# Allegro board ADALM-PLUTO Layout.brd (continued)
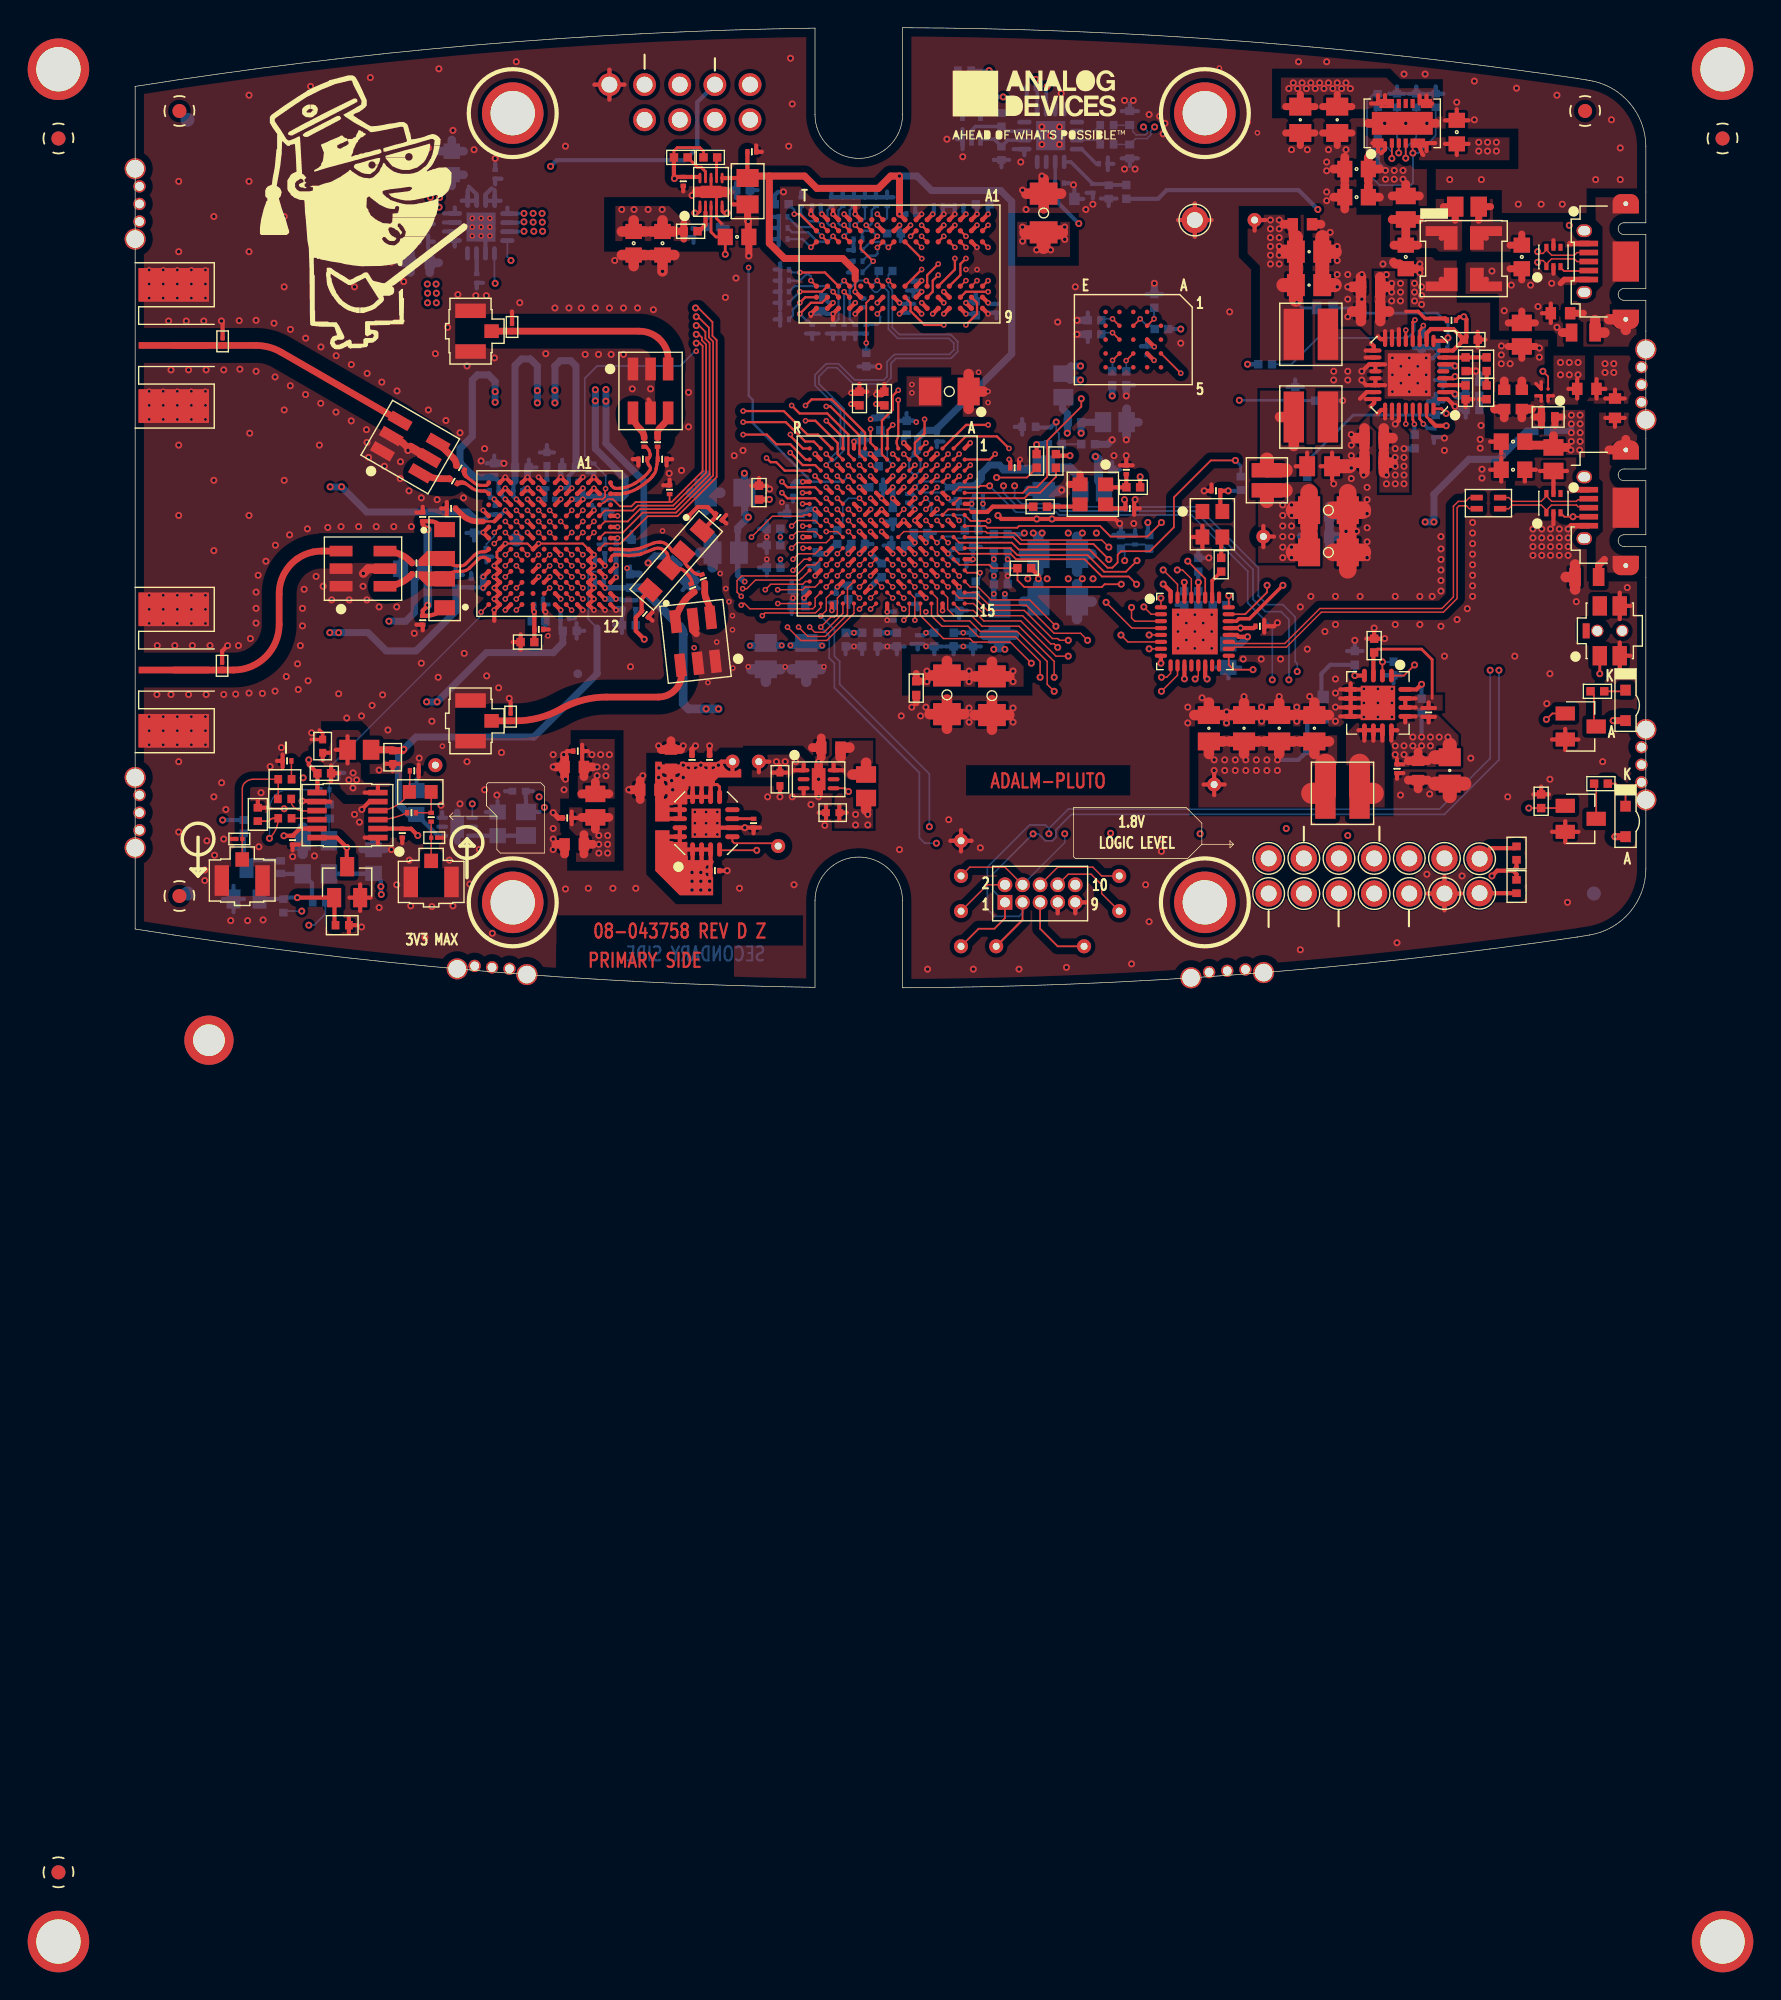
[diagram p0: board, top side]
## Routing (per net, layer and track width the routed paths; a pad name or vN(x,y) marks a point on that pad's centre or on a via; arc(x,y) is an arc through that point) (continued)
  vias: v1(64.11,54.94) v1(64.11,53.92) v1(65.12,53.29) v1(66.14,53.29) v1(67.16,54.94) v1(67.16,54.05) v1(82.01,54.81) v1(82.01,54.18) v1(82.01,53.54) v1(82.01,52.91) v1(82.01,52.27) v1(82.65,55.45) v1(82.65,54.81) v1(82.65,54.18) v1(82.65,53.54) v1(82.65,52.91) v1(82.65,52.27) v2(56.11,43.57) v2(56.11,42.96)
GND: length 615.9
  TOP w0.152: v2(29.15,32.08) 32.34,32.08 U5.C7 ; v2(26.75,32.08) 28.34,32.08 U5.H7
  TOP w0.203: 42.37,55.19 42,55.55 U14.4 42,57.08 U14.PAD U14.8 ; U5.L7 26.13,31.47 26.13,31.09 U5.L8
  TOP w0.254: 13.31,18.62 13.55,18.38 C200.2 12.72,17.93 ; 101.58,43.76 U16.B2 101.19,43.63
  TOP w0.305: Q4.2 104.27,11.26 ; Q4.2 102.36,11.26 ; Q4.2 103.31,10.5 ; Q4.2 103.31,12.02 ; v2(29.65,27.15) 29.62,27.17 29.6,27.17 ; 22.52,34.16 R49.1 ; R49.1 22.52,35.08 ; R49.1 22.11,34.62 ; C182.2 105.57,43.95 ; C182.2 106.21,43.25 ; C182.2 105.57,42.55 ; 20.48,16.13 C180.2 20.48,15.21 ; U4.N5 v2(49.93,36.15) ; 103.31,17.17 Q1.2 ; Q1.2 104.27,17.93 ; Q1.2 102.36,17.93 ; Q1.2 103.31,18.69 ; U2.P9 v2(50.42,48.67) 50.42,48.23 ; U5.C2 v2(33.14,36.08) U5.B2 ; U3.6 U3.5 ; U3.6 U3.7 ; U3.6 87.06,20.9 ; U3.6 89.46,20.9 ; U3.5 87.81,21.98 ; U3.5 87.06,21.55 ; U3.5 88.81,21.55 89.46,20.9 ; U5.G12 29.54,27.23 29.6,27.17 ; 18.61,15.64 C199.2 ; C199.2 18.1,16.17 ; C199.2 19.11,16.17 ; v1(30.96,16.84) 31.21,17.09 C33.2 ; U5.M6 v2(25.14,32.88) U5.M5 ; 76.55,54.24 GND#3.1 ; GND#3.1 77.76,55.45 ; GND#3.1 76.55,56.65 ; GND#3.1 75.35,55.45 ; U5.C1 v2(33.14,36.88) U5.B1 ; v1(62.33,34.11) 62.58,33.86 v1(65.14,33.86) v1(66.24,33.86) 70.8,33.86 v1(71.13,33.53) ; U4.C5 v2(58.73,35.35) ; 29.6,27.17 29.55,27.17 ; U4.G13 v2(55.53,28.95) ; v2(33.14,27.28) U5.C12 v2(33.14,28.08) U5.C11 v2(33.14,28.88) U5.C10 v2(33.14,29.68) U5.C9 v2(33.14,30.48) U5.C8 v2(33.14,31.28) U5.C7 ; 37.37,27.13 C193.1 37.37,26.52 ; C12.2 45.13,11.57 ; C12.2 44.05,11.57 v1(44.04,11.56) U7.6 41.57,11.56 v2(41.25,11.88) ; C12.2 44.68,11.16 ; U4.L1 v2(51.93,39.45) ; U5.H5 v2(28.35,33.68) ; U5.G1 v2(29.14,36.88) ; C205.2 10.65,16.84 ; C205.2 10.65,15.93 ; C205.2 10.25,16.38 ; 38.15,36.29 C206.2 38.61,36.7 ; D7.1 22.23,10.84 ; 59.66,9.85 GND#4.1 ; GND#4.1 59.66,11.38 ; GND#4.1 60.43,10.61 ; GND#4.1 58.9,10.61 ; U2.E1 v2(58.42,55.87) ; v1(12.06,13.48) 13.1,13.48 U17.8 14.09,13.44 ; U4.L11 v2(51.53,30.55) ; U6.22 88.94,43.52 88.8,43.66 ; U6.22 89.6,43.93 ; U6.22 90.3,43.52 ; C56.2 45.07,36.82 ; C56.2 45.63,36.26 ; C56.2 44.51,36.26 ; U2.A9 v2(61.62,48.67) ; C177.1 106.91,43.19 ; C177.1 107.61,42.56 ; C177.1 106.21,42.56 ; U4.B8 v2(58.73,33.75) ; C58.2 52.89,43.05 ; C58.2 52.33,43.61 ; C58.2 51.77,43.05 ; U2.B9 v2(60.02,49.47) ; 20.78,34.73 C194.1 20.32,34.33 ; U6.19 89.14,45.02 88.8,44.68 ; U6.19 89.6,44.61 ; U6.19 90.3,45.02 ; 93.38,6.8 GND.1 ; GND.1 94.59,5.6 ; GND.1 94.59,8.01 ; GND.1 95.79,6.8 ; 86.47,36.69 C146.2 ; C146.2 86.47,38.64 ; C146.2 85.64,37.67 ; U5.C4 v2(33.14,34.48) ; 11.37,9.93 C201.2 11.83,10.34 ; 77.76,36.35 C163.1 v1(77.23,35.89) ; v1(6.23,48.15) 6.32,48.06 D4.1 ; 88.95,25.21 C13.2 ; C13.2 89.51,25.77 ; C13.2 90.07,25.21 ; U5.H10 v2(29.15,29.68) ; D10.1 27.13,20.65 ; 6.9,10.75 D8.1 ; 39.6,57.52 C62.1 ; U4.K4 v2(52.33,36.95) ; U5.H7 v2(29.15,32.08) ; Q3.2 16.26,7.46 ; Q3.2 15.49,6.51 ; Q3.2 17.02,6.51 ; Q3.2 16.26,5.56 ; Y1.2 77.1,33.35 ; Y1.2 76.35,32.55 ; Y1.2 77.1,31.75 ; R103.2 15.44,5.08 ; R103.2 15.44,3.96 ; R103.2 15.98,4.52 ; S1.4 107.25,28.53 ; S1.4 108.03,27.58 ; S1.4 107.25,26.62 ; U5.F1 v2(30.74,36.88) U5.E1 ; C43.2 29.88,25.88 ; 97.89,39.44 C183.2 98.69,38.59 ; 20.78,25.82 C129.1 20.32,26.22 ; U2.M9 52.42,49.07 v2(52.02,48.67) ; U5.H1 v2(28.35,36.88) U5.J1 ; U5.D12 v2(32.34,27.28) ; v2(63.94,38.16) 63.86,38.07 C60.2 ; D1.2 102.46,33.47 ; v1(72.24,35.25) 72.17,35.19 C46.2 ; U5.B12 v2(33.94,27.28) ; T2.5 37.23,42.12 arc(37.2,42.32) 37.08,42.49 ; U4.K14 v2(53.13,28.94) ; U4.E5 v2(57.13,36.15) ; U4.R9 v2(48.25,32.55) ; GND#2.1 35.34,65.22 ; GND#2.1 33.18,65.22 ; GND#2.1 34.26,66.3 ; GND#2.1 34.26,64.14 ; R9.2 72.06,37.73 ; R9.2 71.14,37.73 ; R9.2 71.6,38.14 ; U5.K1 v2(26.74,36.88) U5.L1 ; 98.69,36.56 C211.2 ; C211.2 98.69,38.26 ; C211.2 97.89,37.41 ; C210.2 96.33,62.65 ; C210.2 95.48,63.45 ; C210.2 94.63,62.65 ; U3.8 88.72,19.6 v2(88.76,19.56) ; U3.8 87.06,19.6 ; U3.8 U3.7 ; 50.42,56.18 v2(50.42,55.87) U2.P1 ; U5.F7 v2(30.74,31.28) ; U5.L3 v2(25.95,35.28) ; U5.F11 v2(30.74,28.08) ; U5.F9 v2(30.74,29.68) ; U5.D1 v2(32.34,36.88) ; 35.95,38.17 R69.1 36.36,37.72 ; 9.42,13 R99.2 8.86,13.54 ; 17.54,10.39 U17.1 16.59,10.84 ; 52.02,56.44 v2(52.02,55.87) U2.M1 ; U2.G8 v2(56.82,50.27) ; U2.G1 v2(56.82,55.87) ; U4.N15 v2(50.33,27.25) ; 53.57,43.05 C57.2 54.13,43.6 ; C141.2 97.55,46.81 ; C141.2 96.99,46.25 ; C141.2 96.99,47.37 ; U5.H6 v2(28.35,32.88) ; U4.E7 v2(56.33,33.75) 56.73,33.35 U4.E8 ; U4.F10 v2(56.33,31.35) ; U13.B3 v2(73.62,46.29) ; D3.1 27.23,48.84 ; U5.F3 v2(30.74,35.28) ; U3.7 87.06,20.25 ; U3.7 89.46,20.25 v2(89.78,20.57) 89.46,20.9 ; C46.2 72.58,34.62 ; C46.2 72.17,34.16 ; U4.G5 v2(55.53,36.15) ; 67.92,5.38 P1.9 68.71,6.17 ; U17.5 16.93,13.44 16.38,12.89 v1(16.38,12.87) ; U5.A12 v2(34.74,27.28) ; 48.29,14 U12.3 ; U4.K7 v2(53.13,34.55) ; U4.E9 v2(57.13,32.15) ; 49.38,12.65 C169.2 ; C169.2 49.91,13.16 ; C169.2 49.91,12.14 ; U2.J2 v2(55.22,55.07) ; U6.1 94.81,42.52 v1(95.35,41.98) ; 96.67,42.5 R53.1 96.11,41.95 ; U2.T1 v2(48.82,55.87) 48.82,56.16 ; v1(6.68,24.71) 6.28,24.32 D9.1 ; v1(82.52,26.36) 82.27,26.11 C164.2 ; U4.M8 v2(50.73,33.75) ; 91.16,15.1 C8.2 91.62,15.5 ; v2(60.33,39.35) U4.A1 ; 45.27,60.37 C84.2 44.87,60.83 ; U4.P2 v2(49.13,38.55) ; C10.2 v1(42.77,8.46) ; U2.D8 v2(58.42,50.27) ; C164.2 81.57,26.57 ; C164.2 81.57,25.65 ; 42.7,34.15 C166.1 42.71,33.53 ; 27.85,24.41 C45.2 ; C45.2 27.85,25.52 ; C45.2 27.29,24.97 ; v2(53.93,33.75) 54.33,33.35 U4.H8 ; U4.A11 v2(60.53,30.95) ; U5.L7 v2(26.75,32.08) ; v1(11.16,32.71) 11.09,32.64 ; U4.H10 v2(54.73,31.35) ; U5.L8 v2(25.95,30.48) U5.L9 v2(25.95,29.68) U5.L10 v2(25.95,28.88) U5.L11 v2(25.95,28.08) U5.L12 v2(25.95,27.28) 25.95,26.5 ; U5.H2 v2(28.35,36.08) U5.J2 ; U2.E2 v2(58.42,55.07) ; U2.F9 v2(56.82,49.47) ; CLK_OUT.3 6.25,7.74 ; R75.2 102.13,13.97 ; R75.2 101.57,14.53 ; R75.2 101.01,13.97 ; U5.K12 v2(26.74,27.28) ; U2.E8 v2(58.42,49.47) ; U4.K10 v2(52.33,31.35) ; U2.T9 v2(48.82,48.67) 48.82,48.51 ; U5.A4 v2(34.85,34.08) ; U2.B3 v2(60.82,53.47) ; U4.H6 v2(53.93,35.35) U4.J5 ; U5.M4 v2(25.14,34.48) ; U5.H3 v2(28.35,35.28) ; U2.B1 v2(60.82,55.87) ; U5.G10 v2(29.95,29.68) ; U4.G3 v2(55.53,37.75) ; 46.58,14.05 C170.2 ; U2.G9 v2(56.82,48.67) ; 97.08,42.5 R61.1 ; 38.8,38.17 R104.1 38.39,37.72 ; U4.C15 v2(58.33,27.24) ; U2.D1 v2(59.22,55.87) ; U5.L2 v2(26.74,36.08) U5.K2 ; S1.3 107.25,24.93 ; S1.3 108.03,23.98 ; S1.3 107.25,23.03 ; 19.3,10.44 C202.2 ; C81.2 43.19,56.58 ; U4.D2 v2(57.93,38.55) ; U4.P12 v2(49.13,29.75) ; U4.L5 v2(51.53,36.15) ; U5.A6 v2(34.85,32.48) ; U2.J8 v2(55.22,49.47) ; U4.J9 v2(53.13,32.95) ; U4.D12 v2(57.93,29.75) ; U5.H9 v2(29.15,30.48) ; 66.65,5.38 P1.7 ; U5.A5 v2(34.85,33.28)
  TOP w0.394: v1(40.49,17.47) 40.23,17.22 C16.2 ; C18.2 v1(41.5,17.47) ; C25.2 30.58,12.27 v1(30.2,12.65)
  TOP w0.406: C57.2 53.93,42.85 v2(53.53,42.85) ; C58.2 52.23,42.95 v2(51.73,42.95) ; P2.5 103.76,33.37 v1(103.52,33.13)
  TOP w0.508: v1(44.33,52.85) C79.2 44.3,54.26 v1(44.3,55.34) 44.25,55.39 C81.2 ; E10.1 101.15,46.32 ; E10.1 99.2,46.32 ; E10.1 100.18,45.46 ; 85.79,61.73 C184.2 ; C184.2 86.84,60.83 ; C184.2 87.9,61.73 ; C143.1 v1(96.86,44.54) ; C185.2 85.23,61.73 ; C185.2 83.12,61.73 ; C185.2 84.17,60.83 ; T3.5 40.31,25.8 40.54,25.58 ; v1(19.71,38.81) 19.71,38.98 19.33,39.36 T1.2 ; 67.47,36.35 Y2.2 68.27,37.1 ; 56.43,20.58 C68.2
  TOP w0.635: 31.02,15.25 C32.2 ; C32.2 30.39,15.95 ; C32.2 31.02,16.65 ; C212.2 87.39,57.95 ; C212.2 87.39,56.25 ; C212.2 86.59,57.1 ; C172.2 100.18,43.83 ; C151.2 85.66,55.14 ; 90.9,52.4 91.03,52.27 91.34,52.27 91.69,51.93 C213.2 92.77,51.93 ; 36.49,13.6 C15.2 ; C15.2 35.85,14.3 ; C15.2 36.49,15 ; 86.59,59.13 C209.2 ; C209.2 87.39,58.28 ; C209.2 87.39,59.98 ; 49.38,16.11 v1(49.38,15.06) 49.38,14.01 ; v1(16.48,29.92) 16.83,30.27 T5.5 ; 91.98,15 C9.2 ; C9.2 92.68,14.36 ; C9.2 93.38,15 ; C171.2 98.91,43.83 ; 30.39,10.36 C22.2 31.02,9.66 ; 48.93,17.35 C173.2 ; C173.2 49.57,16.65 ; C173.2 49.57,18.04 ; T1.5 19.89,39.04 ; C14.2 39.41,17.21 ; C14.2 38.01,17.21 ; C14.2 38.71,17.84 ; 89.09,62.43 U8.PAD 93.99,62.43
  TOP w0.762: C17.2 82.65,20.6 ; C17.2 83.7,19.7 ; C17.2 81.6,19.7 ; C64.2 61.9,20.75 ; C64.2 60.64,19.7 ; C64.2 61.9,18.64 ; C64.2 63.16,19.7 ; C54.2 60.21,44.32 ; C54.2 60.21,41.81 ; C54.2 61.27,43.06 ; 57.39,19.76 C71.2 ; C71.2 59.9,19.76 ; C71.2 58.65,18.7 ; C71.2 58.65,20.81 ; 88.17,37.92 C137.2 ; C137.2 88.81,38.62 ; C137.2 88.81,37.22 ; 76.52,19.7 C19.2 ; C19.2 77.57,20.6 ; C19.2 78.62,19.7 ; C135.2 88.81,40.4 ; C135.2 88.81,39 ; C135.2 88.17,39.7 ; 37.25,52.92 C83.2 ; C83.2 v1(38.1,51.74) ; C83.2 38.95,52.92 ; C82.2 36.87,52.92 ; C82.2 35.16,52.92 ; C82.2 36.02,52.12 ; 88.56,49.92 C138.2 ; C138.2 87.92,50.62 ; C138.2 88.56,51.32 ; C20.2 80.11,20.6 ; C20.2 81.16,19.7 ; C20.2 79.06,19.7 ; C21.2 86.24,19.7 ; C21.2 85.19,20.6 ; C21.2 84.14,19.7 ; 88.56,48.14 C136.2 ; C136.2 88.56,49.54 ; C136.2 87.92,48.84 ; 104.02,28.76 R55.2 ; R55.2 104.02,30.57 ; R55.2 103.35,29.66 ; 42.61,57.48 U14.PAD 40.6,57.48 ; 65.63,56.3 C100.2 ; C100.2 66.89,57.35 ; C100.2 64.37,57.35 ; C100.2 65.63,58.41
  TOP w1.016: C145.2 86.66,53.16 ; C145.2 85.76,52.11 ; C145.2 85.76,54.21 ; 86.66,50.75 C148.2 85.76,51.8 ; 93.91,14.74 C11.2 ; C11.2 94.97,13.84 ; C11.2 96.02,14.74 ; 87.73,37.67 C146.2
  TOP w1.27: 86.55,34.49 C150.2 ; C150.2 88.66,34.49 ; C150.2 87.6,33.23 ; C150.2 87.6,35.75 ; C149.2 87.6,32.7 ; C149.2 87.6,30.18 ; C149.2 88.66,31.44 ; C149.2 86.55,31.44
  L5_SIG w0.305: 76.55,54.24 GND#3.1 ; GND#3.1 76.55,56.65 ; GND#3.1 75.35,55.45 ; GND#3.1 77.76,55.45 ; 93.38,6.8 GND.1 ; GND.1 94.59,8.01 ; GND.1 95.79,6.8 ; GND.1 94.59,5.6 ; 33.18,65.22 GND#2.1 ; GND#2.1 34.26,66.3 ; GND#2.1 34.26,64.14 ; GND#2.1 35.34,65.22 ; 59.66,9.85 GND#4.1 ; GND#4.1 59.66,11.38 ; GND#4.1 58.9,10.61 ; GND#4.1 60.43,10.61
  L6_SIG w0.305: GND#2.1 34.26,66.3 ; GND#2.1 34.26,64.14 ; GND#2.1 33.18,65.22 ; GND#3.1 77.76,55.45 ; GND#3.1 76.55,54.24 ; GND#3.1 75.35,55.45 ; GND#3.1 76.55,56.65 ; 66.65,5.38 P1.7 ; GND#4.1 59.66,11.38 ; GND#4.1 59.66,9.85 ; GND#4.1 60.43,10.61 ; 68.71,6.17 P1.9 67.92,5.38
  BOTTOM w0.254: C5.2 19.57,53.89 v1(19.53,53.92) ; C4.2 19.89,53.06 19.78,53.16 ; C4.2 19.89,51.74 19.66,51.51 ; C4.2 18.55,52.36 v1(18.51,52.4) ; v1(19.53,55.19) 19.57,55.16 C6.2
  BOTTOM w0.305: 42.86,57.6 C101.2 ; C101.2 43.42,57.05 ; C101.2 43.42,58.16 ; GND.1 94.59,8.01 ; GND.1 95.79,6.8 ; GND.1 93.38,6.8 ; GND.1 94.59,5.6 ; C34.2 29,37.58 ; C34.2 28.44,38.14 ; C34.2 28.44,37.02 ; 52.72,32.61 C72.2 53.28,32.05 ; v2(57.14,24.65) 56.96,24.83 C117.2 ; 56.35,56.34 C63.1 56.76,55.88 ; v2(55.22,55.07) 55.22,54.57 C89.2 55.32,53.91 ; 55.76,50.35 C92.2 ; C92.2 56.68,50.35 ; C92.2 56.22,49.95 ; 54.02,36.71 C73.2 54.02,35.59 ; v2(33.14,29.68) 33.23,29.6 C40.2 33.23,28.96 v2(33.14,28.88) ; 34.26,64.14 GND#2.1 ; GND#2.1 35.34,65.22 ; GND#2.1 34.26,66.3 ; GND#2.1 33.18,65.22 ; 57.74,24.09 C115.2 58.3,24.65 ; v1(94.59,39.7) 94.52,39.76 C7.1 93.83,39.35 ; 25.38,37.87 C29.2 25.94,38.43 ; 92.38,46.19 C139.1 ; C139.1 92.94,45.63 ; C139.1 93.5,46.19 ; 59.44,34.6 C178.2 58.88,35.16 ; R63.2 94.14,46.63 ; R63.2 93.74,46.17 ; R63.2 94.14,45.84 93.76,45.46 93.3,45.46 v2(93.27,45.49) ; 51.97,39.55 C59.2 ; C59.2 52.53,40.11 ; C59.2 53.09,39.55 ; 58.38,39.45 C99.1 57.92,39.04 ; C107.2 61.09,24.65 ; C107.2 60.53,24.09 ; C107.2 v2(59.83,24.65) C113.2 ; 35.25,26.95 C128.2 ; 73.07,50.1 R116.2 74.19,50.1 ; C192.2 23.67,29.81 ; C192.2 23.16,30.35 ; C192.2 22.65,29.81 ; v1(66.14,61.54) v1(65.5,60.91) ; v1(66.14,61.54) v1(66.77,60.91) ; v1(66.14,61.54) v1(65.5,62.18) ; v1(66.14,61.54) v1(66.77,62.18) ; 71.27,59.9 C196.1 ; C196.1 72.44,59.9 ; C196.1 71.85,59.35 ; 58.75,56.48 C95.2 58.34,55.95 v2(58.42,55.87) ; C90.2 45.63,33.71 ; C90.2 45.07,33.15 ; C90.2 v2(45.63,32.56) C78.2 ; 58.57,24.65 C113.2 ; C113.2 59.13,24.09 ; R42.2 46.21,57.24 46.45,57.48 v1(46.84,57.48) ; 24.92,31.13 C207.1 ; C207.1 25.37,30.72 ; C207.1 25.83,31.13 ; 66.65,5.38 P1.7 ; v2(25.14,32.88) 24.51,32.88 C36.2 ; C35.2 35.75,30.43 ; 55.17,40.95 C55.2 ; C55.2 55.73,41.51 ; C55.2 56.29,40.95 ; 60.43,30.85 C162.2 60.05,30.39 ; 60.43,30.85 v2(60.53,30.95) ; 60.43,30.85 60.46,30.85 ; C91.2 55.3,49.39 v2(55.22,49.47) ; C91.2 55.82,49.8 ; C91.2 56.28,49.39 ; 61.25,34.99 C52.2 ; 31.89,25.22 C30.2 ; C30.2 32.45,25.78 ; C30.2 31.89,26.34 ; 75.79,27.09 C154.2 75.23,27.65 ; R119.2 68.82,48.77 ; R90.2 84.37,43.39 ; R90.2 83.25,43.39 ; R90.2 83.81,43.93 ; 64.24,60.13 U9.13 63.46,60.57 ; R73.2 92.56,65.1 ; R73.2 92,64.56 ; R73.2 93.12,64.56 ; C102.2 52.5,49.15 v2(52.02,48.67) ; 96.12,41.17 C147.1 95.57,41.73 ; 72.24,33.06 C47.2 71.27,32.65 R15.2 ; 90.6,64.56 R78.1 ; R78.1 91.16,65.1 ; R78.1 91.72,64.56 ; 62.23,48.35 C97.2 61.7,48.75 v2(61.62,48.67) ; R65.1 94.51,42.35 ; R65.1 93.95,42.91 ; R65.1 93.39,42.35 ; v2(50.42,48.67) 49.92,48.67 C86.2 ; 70.27,59.05 C189.2 ; C189.2 70.67,59.51 ; C189.2 70.27,59.97 ; 61.65,34.45 C53.2 61.25,34.91 ; 45.63,29.79 C108.2 ; C108.2 v2(45.63,30.94) ; C108.2 45.07,30.35 ; C48.2 73.59,46.33 v2(73.62,46.29) ; C48.2 72.65,46.33 ; C48.2 73.11,46.73 ; U9.3 66.46,64.22 ; 15.1,15.52 C124.2 14.69,15.06 ; 39.55,28.72 C167.2 ; C167.2 40.71,28.83 ; C167.2 40.67,30 ; 25.62,35.4 C24.2 25.22,35.88 ; 25.62,35.4 25.83,35.4 v2(25.95,35.28) 26.01,35.21 C41.2 ; 25.62,35.4 25.62,35.38 ; 26.01,59.51 26.01,59.07 26.01,59.47 ; C126.1 29.74,39.19 ; C126.1 30.25,38.66 ; C126.1 29.24,38.66 ; C197.1 71.85,63.86 ; C197.1 71.27,63.31 ; C197.1 72.44,63.31 ; v2(48.82,55.87) 48.9,55.95 C96.2 ; C155.2 19.18,31.12 ; C155.2 19.18,29.42 ; C155.2 18.38,30.27 ; C44.2 29.46,28.14 ; C44.2 29.87,27.68 ; C44.2 29.46,27.33 v2(29.65,27.15) 29.64,27.14 C38.2 29.64,25.91 ; C114.2 47.52,27.64 v2(47.52,28.14) 47.52,28.66 C112.2 47.43,29.34 47.43,29.34 ; C114.2 47.43,28.11 ; C114.2 47.43,26.99 ; 78.13,23.14 C165.2 ; C165.2 78.98,22.34 ; C165.2 79.83,23.14 ; 54.63,31.39 C74.2 ; C74.2 54.63,32.51 ; C74.2 54.07,31.95 ; 53.63,24.09 C109.2 ; 35.86,32.93 C31.2 35.3,32.37 ; 56.53,27.32 C161.2 56.07,27.73 ; C190.2 62.15,65.16 ; R72.2 94.51,64.56 ; R72.2 93.95,65.1 ; R72.2 93.39,64.56 ; C191.2 24.28,29.96 ; v2(54.33,26.55) 54.35,26.53 C119.2 ; U10.3 59.77,62.01 ; U10.3 59.77,60.56 ; U10.3 59.36,61.29 ; 64.43,64.51 C186.2 64.02,64.97 ; 49.13,32.63 C120.2 48.67,33.03 ; C111.2 60.09,27.25 ; C111.2 58.97,27.25 ; C111.2 59.53,26.69 ; 60.73,50.12 C87.2 60.17,49.56 ; GND#3.1 76.55,56.65 ; GND#3.1 77.76,55.45 ; GND#3.1 75.35,55.45 ; GND#3.1 76.55,54.24 ; Q2.2 7.87,6.41 ; Q2.2 6.35,6.41 ; Q2.2 7.11,5.45 ; Q2.2 7.11,7.36 ; 52.26,44.87 R165.2 v1(53.72,44.87) ; 70.66,32.7 R15.2 ; R15.2 71.22,33.26 ; 46.54,34.24 C51.2 47.1,34.8 ; C142.1 97.67,43.76 ; C23.2 32.05,36.58 v2(32.34,36.88) 32.34,36.89 ; C78.2 45.63,31.39 ; C78.2 45.07,31.95 ; 33.95,33.82 C37.2 34.51,34.38 ; C122.2 15.59,9.28 ; 76.81,31.61 C140.2 v1(77.57,31.05) ; 58.9,10.61 GND#4.1 ; GND#4.1 59.66,11.38 ; GND#4.1 59.66,9.85 ; GND#4.1 60.43,10.61 ; C86.2 49.16,48.87 ; C86.2 49.52,48.67 v2(48.82,48.67) ; C42.2 33.14,34.66 v2(33.14,34.48) ; 67.85,57.67 C215.2 68.49,56.97 ; 54.73,33.1 C70.2 54.17,33.66 ; R2.1 88.67,24.32 ; R2.1 v1(88.11,25.09) ; R2.1 87.55,24.32 ; 20.13,55.16 C6.2 ; 25.13,50.91 C2.2 24.67,50.51 ; C188.2 67.5,58.11 ; 56.08,24.83 C117.2 ; C117.2 56.53,24.42 ; 55.59,24.65 C105.2 55.03,24.09 ; 28.37,35.88 C39.2 28.16,36.08 v2(28.35,36.08) ; 68.73,57.41 C187.2 69.19,57.01 ; 77.84,28.19 R77.2 77.84,27.07 ; 58.8,56.48 C94.2 59.21,55.88 v2(59.22,55.87) ; C127.2 35.17,26.74 ; C127.2 34.61,26.19 ; C127.2 35.16,25.63 ; C36.2 24.48,32.29 ; C36.2 23.92,32.85 ; C28.2 30.85,38.14 ; R3.1 91.46,22.57 ; R3.1 90.35,22.57 ; R3.1 90.9,22.01 ; 50.17,27.83 C118.2 50.63,27.42 ; 26.72,14.2 C123.2 ; R121.2 72.16,43.52 ; 33.47,32.02 C203.2 33.93,32.43 ; 33.12,36.81 C208.2 32.66,37.22 ; R40.2 54.39,41.25 ; R40.2 53.63,41.05 v2(53.13,41.05) ; R40.2 53.27,41.25 ; 69.77,57 R92.2 ; R92.2 70.89,57 ; R92.2 70.33,56.46 ; 51.33,24.09 C106.2 ; 40.33,53.81 C80.2 39.88,54.21 ; v2(25.63,54.3) 25.63,54.25 25.31,53.94 U1.6 ; v2(33.14,31.28) 33.23,31.2 33.23,30.56 v2(33.14,30.48) ; 20.32,15.03 C198.2 21.17,14.23 ; 57.79,32.85 C75.2 57.23,32.29 ; 49.22,29.89 C116.2 48.67,30.45 ; 52.53,24.09 C67.2 ; 70.58,37.97 C174.2 71.14,37.41 ; 20.12,53.89 C5.2 ; R66.1 64.08,41.07 ; R66.1 64.08,39.95 ; R66.1 63.55,40.51 ; 68.71,6.17 P1.9 67.92,5.38 ; C88.2 60.82,56.49 v2(60.82,55.87) ; 94.46,43.34 R54.2 93.9,43.9 ; v2(34.85,32.48) 34.75,32.37 C27.2 ; 47.52,35.13 C61.2 ; 68.82,46.63 R120.2 ; 25.33,12.68 C195.2 26.19,13.49 ; 62.02,59.79 R93.2 ; R93.2 63.14,59.79 ; R93.2 62.58,59.26 ; C26.2 31.77,26.68 ; 51.53,27.49 C110.2 ; 76.81,27.09 C168.2 ; 60.53,31.29 C69.2 61.09,31.85 ; U11.3 22.18,12.69 ; C125.1 v2(30.74,35.28)
  BOTTOM w0.406: C28.2 30.74,37.47 v2(30.74,36.88) ; C109.2 v2(54.34,24.65) C105.2 ; v2(52.33,31.35) 52.63,31.65 52.63,31.95 C72.2 ; C106.2 v2(51.93,24.65) C67.2 ; C50.2 63.03,30.95 v2(63.03,30.95) C159.2 v2(63.03,29.74) C160.2 ; C66.2 53.83,29.65 v2(53.13,28.94) ; C128.2 34.82,27.35 v2(34.74,27.28) ; v2(51.93,39.45) 52.43,39.45 C59.2 ; C115.2 v2(57.14,24.65)
  BOTTOM w0.508: C35.2 36.45,29.87 ; v2(28.35,36.88) 28.35,37.49 C34.2 ; v1(71.6,42.75) R121.2 ; v1(68.04,48.21) R119.2 ; C142.1 97.12,44.28 v1(96.86,44.54) ; C121.2 18.07,9.97 ; C121.2 16.37,9.97 ; C121.2 17.22,10.77 ; v1(68.04,47.19) R120.2 ; v1(70.58,39.57) 70.27,39.25 R91.2 ; 23.26,10.58 U11.PAD 23.26,12.69 ; C29.2 v1(26.64,37.87) ; v1(73.63,50.87) R116.2
  BOTTOM w0.635: v1(66.94,35.95) 65.69,35.95 C85.2 ; C152.2 86.27,34.81 ; C152.2 86.9,34.11 ; C152.2 86.27,33.41 ; 86.27,31.89 C153.2 ; C153.2 86.27,33.28 ; C153.2 86.9,32.59 ; C3.2 23.72,60.42 ; C3.2 22.02,60.42 ; C3.2 22.88,61.22 ; E6.1 72.48,40.84 ; E6.1 71.63,41.82 ; E6.1 71.63,39.86 ; 19.25,52.37 C4.2 ; C4.2 19.89,53.06 ; C4.2 19.89,51.66 ; 31.97,22.68 arc(31.97,22.68) 31.98,22.68
  BOTTOM w0.762: C76.2 41.22,37.01 ; C76.2 40.17,35.75 ; C76.2 42.28,35.75 ; C76.2 41.22,34.49 ; C65.2 49.54,23 ; C65.2 48.49,22.09 ; C65.2 47.43,23 ; C104.2 46.62,23 ; C104.2 44.51,23 ; C104.2 45.57,22.09 ; C77.2 41.71,32.47 ; C77.2 40.81,31.42 ; C77.2 41.71,30.37 ; 68.04,26.63 68.04,27.89 ; 68.04,27.89 68.04,29.14 ; 68.04,27.89 69.1,27.89 ; 62.43,24.59 C103.2 ; C103.2 61.38,25.49 ; C103.2 63.49,25.49 ; 68.04,31.32 69.1,31.32 ; 68.04,31.32 68.04,32.57 ; 68.04,31.32 68.04,30.06 ; 12.1,9.67 Y3.2 12.1,11.57 ; 64.58,35.9 C85.2 66.69,35.9
  vias: v1(1.6,24.71) v1(1.57,21.18) v1(2.42,48.15) v1(2.59,44.62) v1(2.59,21.18) v1(2.87,24.71) v1(3.15,58.24) v1(3.15,53.16) v1(3.15,39.19) v1(3.15,34.11) v1(3.15,16.33) v1(3.15,11.25) v1(3.69,48.15) v1(3.86,44.62) v1(3.86,21.18) v1(4.14,24.71) v1(4.96,48.15) v1(5.03,8.51) v1(5.03,7.74) v1(5.13,44.62) v1(5.13,21.18) v1(5.18,10.61) v1(5.41,24.71) v1(5.69,55.7) v1(5.69,36.65) v1(5.69,31.57) v1(5.69,13.79) v1(5.74,9.57) v1(6.25,14.81) v1(6.4,44.62) v1(6.4,21.18) v1(6.4,10.74) v1(6.55,12.88) v1(6.91,4.85) v1(7.26,21.21) v1(7.52,48.18) v1(7.47,24.71) v1(7.57,44.68) v1(8.13,4.85) v1(8.23,64.46) v1(8.23,58.24) v1(8.23,53.16) v1(8.23,34.11) v1(8.23,21.28) v1(8.28,40.05) v1(8.33,25.22) v1(8.74,48.21) v1(8.74,44.52) v1(8.74,28.57) v1(8.74,27.4) v1(8.74,26.34) v1(8.89,29.79) v1(8.94,10.18) v1(9.09,14.09) v1(9.19,21.26) v1(9.24,4.9) v1(9.45,30.81) v1(9.75,15.97) v1(10.03,47.99) v1(10.11,44.12) v1(10.11,21.42) v1(10.13,31.96) v1(10.56,17.35) v1(10.77,55.7) v1(10.77,50.62) v1(10.77,41.73) v1(10.77,36.65) v1(10.77,12.93) v1(10.92,22.48) v1(11.22,47.55) v1(11.21,43.48) v1(11.38,9.47) v1(11.73,23.39) v1(11.78,21.54) v1(11.94,24.71) v1(12.09,27.4) v1(12.09,26.13) v1(12.21,28.78) v1(12.14,15.16) v1(12.32,46.92) v1(12.31,42.85) v1(12.44,33.14) v1(12.5,22.17) v1(12.67,65.1) v1(12.75,18.41) v1(12.95,9.52) v1(13.07,29.71) v1(13.31,39.19) v1(13.42,46.28) v1(13.41,42.21) v1(13.58,29) v1(13.92,33.25) v1(14.2,28.01) v1(14.52,45.65) v1(14.51,41.58) v1(14.7,21.23) v1(14.88,33.3) v1(15.29,19.48) v1(15.47,28.01) v1(15.62,45.01) v1(15.61,40.94) v1(15.85,50.62) v1(15.85,12.52) v1(16.15,33.3) v1(16.2,11.96) v1(16.36,19.63) v1(16.36,4.39) v1(16.46,29) v1(16.71,40.31) v1(16.76,44.37) v1(16.75,39.38) v1(16.74,28.01) v1(16.86,38.3) v1(16.99,65.73) v1(17.12,20.39) v1(17.42,33.3) v1(17.63,27.51) v1(17.63,15.72) v1(17.63,5.79) v1(17.82,43.74) v1(17.88,21.16) v1(18.01,37.67) v1(18.26,18.62) v1(18.51,9.98) v1(18.69,33.3) v1(18.92,43.11) v1(18.9,27.51) v1(18.9,7.44) v1(19.17,37.99) v1(19.15,36.78) v1(19.4,51) v1(19.78,35.89) v1(19.81,9.22) v1(19.91,5.92) v1(19.96,33.3) v1(20.17,25.6) v1(20.52,16.58) v1(20.67,35.38) v1(20.67,23.44) v1(20.93,3.63) v1(21.18,60.65) v1(21.18,41.73) v1(21.44,19.25) v1(21.44,5.86) v1(21.69,45.79) v1(21.82,35.25) v1(21.89,22.43) v1(21.94,66.37) v1(22.1,13.18) v1(22.45,40.97) v1(22.58,47.7) v1(22.71,9.22) v1(22.96,61.92) v1(22.96,5.92) v1(23.32,50.06) v1(23.47,40.08) v1(23.47,13.28) v1(23.72,35.38) v1(23.77,24.15) v1(23.98,44.9) v1(23.98,16.33) v1(24.18,7.49) v1(24.48,60.53) v1(24.61,49.98) v1(24.86,9.98) v1(24.99,38.05) v1(25.25,38.94) v1(25.25,14.3) v1(25.37,49.98) v1(25.4,22.53) v1(25.8,3.93) v1(26.01,59.89) v1(25.96,45.49) v1(26.13,13.92) v1(26.26,21.66) v1(26.47,16.99) v1(27.02,20.9) v1(27.53,66.88) v1(27.79,49.48) v1(29.67,45.79) v1(30.2,16.84) v1(30.2,15.95) v1(30.2,11.5) v1(30.2,10.74) v1(30.2,9.98) v1(30.33,49.1) v1(30.99,14.3) v1(31.09,60.78) v1(31.09,15.06) v1(31.09,7.13) v1(31.34,49.1) v1(32.23,49.1) v1(32.51,45.74) v1(32.74,7.19) v1(33.25,49.1) v1(33.48,45.74) v1(34.26,49.1) v1(34.39,45.74) v1(34.52,7.19) v1(34.64,52.52) v1(35.28,49.1) v1(35.28,45.74) v1(35.66,14.3) v1(35.79,23.19) v1(35.91,43.25) v1(36.17,7.19) v1(36.29,49.1) v1(36.68,15.31) v1(37.23,43.25) v1(37.44,48.97) v1(37.82,17.47) v1(38.58,37.16) v1(39.47,37.36) v1(39.6,17.47) v1(39.98,43) v1(39.98,40.51) v1(40.23,57.22) v1(42.64,49.86) v1(43.28,38.43) v1(43.41,51.25) v1(43.66,7.19) v1(43.91,38.81) v1(45.69,13.79) v1(45.83,36.01) v1(46.58,13.79) v1(47.22,60.78) v1(47.34,67.13) v1(47.47,63.83) v1(47.47,13.79) v1(47.6,7.44) v1(48.82,13.23) v1(49.38,16.33) v1(49.38,13.79) v1(49.82,11.73) v1(55.22,9.98) v1(55.34,19.63) v1(56.11,20.27) v1(56.74,19.63) v1(57.12,20.27) v1(57.25,1.34) v1(58.65,61.29) v1(58.77,12.14) v1(59.79,60.02) v1(60.25,20.2) v1(60.25,19.19) v1(60.55,1.34) v1(61.06,10.11) v1(62.03,24.44) v1(62.83,24.44) v1(63.42,20.2) v1(63.42,19.19) v1(63.85,1.34) v1(63.98,59.64) v1(64.11,57.6) v1(64.36,56.21) v1(65.5,58.62) v1(66.65,48.08) v1(66.9,64.59) v1(67.28,1.47) v1(67.41,32.84) v1(67.41,29.54) v1(67.79,57.99) v1(67.92,50.62) v1(68.43,32.84) v1(68.43,29.54) v1(68.68,56.21) v1(69.19,56.59) v1(69.2,29.54) v1(69.44,32.84) v1(70.71,38.43) v1(71.47,64.08) v1(71.47,59.13) v1(71.6,39.57) v1(71.6,38.43) v1(71.98,1.72) v1(72.11,64.08) v1(72.14,33.53) v1(72.24,59.13) v1(73,7.44) v1(73.25,63.07) v1(73.25,4.77) v1(74.01,62.94) v1(74.14,10.74) v1(74.14,9.85) v1(74.27,61.67) v1(74.39,62.43) v1(75.54,46.56) v1(76.05,20.27) v1(76.05,19.12) v1(77.08,20.94) v1(78.85,19.92) v1(78.84,19.12) v1(79.07,48.82) v1(80.05,23.74) v1(80.11,21.03) v1(81.35,23.74) v1(81.38,20.27) v1(81.38,19.25) v1(82.65,21.03) v1(82.75,23.74) v1(83.54,60.53) v1(83.92,20.27) v1(83.92,19.25) v1(84.05,66.88) v1(84.17,27.51) v1(84.17,2.74) v1(84.68,60.53) v1(84.68,24.46) v1(84.85,21.04) v1(84.94,28.27) v1(85.95,25.73) v1(86.08,66.88) v1(86.08,59.64) v1(86.08,59) v1(86.08,57.48) v1(86.08,56.84) v1(86.21,60.53) v1(86.33,54.56) v1(86.59,44.52) v1(86.59,43.89) v1(86.59,36.4) v1(86.71,28.27) v1(86.71,26.24) v1(86.71,22.3) v1(86.71,21.28) v1(86.71,20.27) v1(86.71,19.25) v1(86.84,53.54) v1(86.84,52.52) v1(86.84,51.51) v1(86.84,50.62) v1(87.48,60.53) v1(87.48,32.97) v1(87.6,51.51) v1(87.6,50.62) v1(87.6,49.73) v1(87.6,48.46) v1(87.6,44.52) v1(87.6,43.89) v1(87.86,39.95) v1(87.86,39.19) v1(87.86,38.43) v1(87.86,37.54) v1(87.86,36.78) v1(88.24,32.97) v1(88.49,28.27) v1(88.62,51.51) v1(88.62,49.73) v1(88.62,44.52) v1(88.62,43.89) v1(88.75,37.03) v1(89,36.14) v1(89,35.25) v1(89,34.24) v1(89,33.22) v1(89,32.2) v1(89,31.06) v1(89.51,25.98) v1(90.14,52.27) v1(90.27,62.43) v1(90.27,25.22) v1(91.03,28.27) v1(91.03,26.24) v1(91.16,3.25) v1(91.41,13.92) v1(91.67,65.99) v1(91.79,62.43) v1(92.43,50.87) v1(92.43,50.24) v1(92.43,49.6) v1(92.81,52.27) v1(92.81,51.64) v1(92.81,28.27) v1(92.81,26.24) v1(92.94,50.62) v1(92.94,49.98) v1(92.94,49.35) v1(93.19,65.99) v1(93.32,62.43) v1(93.32,8.2) v1(93.52,13.99) v1(93.7,28.27) v1(94.33,32.59) v1(94.33,31.7) v1(94.33,30.93) v1(94.33,30.17) v1(94.33,29.41) v1(94.33,28.65) v1(94.33,26.11) v1(94.59,38.81) v1(94.59,23.95) v1(94.97,58.37) v1(95.48,63.95) v1(95.5,26.59) v1(95.86,8.07) v1(96.24,27.38) v1(96.49,16.58) v1(96.62,33.6) v1(96.62,32.84) v1(96.62,32.08) v1(96.62,31.32) v1(96.62,30.55) v1(96.62,29.79) v1(96.62,29.03) v1(96.62,28.27) v1(96.75,65.48) v1(96.75,62.68) v1(97.17,39.61) v1(97.17,38.97) v1(97.25,58.37) v1(97.23,40.61) v1(97.3,37.45) v1(97.3,36.81) v1(98.7,46.35) v1(98.69,45.7) v1(98.69,45.07) v1(99.16,13.79) v1(99.33,45.07) v1(99.67,23.95) v1(99.79,64.97) v1(99.92,56.59) v1(100.98,33.13) v1(100.98,32.5) v1(100.98,31.86) v1(100.98,31.23) v1(101.45,46.2) v1(101.45,45.54) v1(101.57,56.59) v1(101.62,33.13) v1(101.62,32.5) v1(101.62,31.86) v1(101.62,31.23) v1(101.98,20.52) v1(102.21,22.68) v1(102.21,15.06) v1(102.25,33.13) v1(102.25,32.5) v1(102.25,31.86) v1(102.25,31.23) v1(102.72,64.46) v1(102.89,33.13) v1(102.89,32.5) v1(102.89,31.86) v1(102.89,31.23) v1(103.1,56.59) v1(103.52,32.5) v1(103.52,31.86) v1(103.52,31.23) v1(103.48,6.17) v1(104.11,27.89) v1(105.51,58.37) v1(106.02,16.33) v1(106.19,45.07) v1(106.19,44.43) v1(106.65,62.68) v1(106.82,45.07) v1(106.82,44.43) v1(107.29,60.65) v1(107.29,58.37) v1(107.29,22.68) v1(107.8,28.9) v2(1.02,51.84) v2(1.02,50.82) v2(1.02,49.81) v2(1.02,43.08) v2(1.02,42.06) v2(1.02,41.04) v2(1.02,28.34) v2(1.02,27.33) v2(1.02,26.31) v2(1.02,19.58) v2(1.02,18.57) v2(1.02,17.55) v2(2.03,51.84) v2(2.03,50.82) v2(2.03,49.81) v2(2.03,43.08) v2(2.03,42.06) v2(2.03,41.04) v2(2.03,28.34) v2(2.03,27.33) v2(2.03,26.31) v2(2.03,19.58) v2(2.03,18.57) v2(2.03,17.55) v2(3.05,51.84) v2(3.05,50.82) v2(3.05,49.81) v2(3.05,43.08) v2(3.05,42.06) v2(3.05,41.04) v2(3.05,28.34) v2(3.05,27.33) v2(3.05,26.31) v2(3.05,19.58) v2(3.05,18.57) v2(3.05,17.55) v2(4.06,51.84) v2(4.06,50.82) v2(4.06,49.81) v2(4.06,43.08) v2(4.06,42.06) v2(4.06,41.04) v2(4.06,28.34) v2(4.06,27.33) v2(4.06,26.31) v2(4.06,19.58) v2(4.06,18.57) v2(4.06,17.55) v2(5.08,51.84) v2(5.08,50.82) v2(5.08,49.81) v2(5.08,43.08) v2(5.08,42.06) v2(5.08,41.04) v2(5.08,28.34) v2(5.08,27.33) v2(5.08,26.31) v2(5.08,19.58) v2(5.08,18.57) v2(5.08,17.55) v2(22.2,17.45) v2(24.36,55.57) v2(24.36,54.94) v2(24.36,54.3) v2(24.99,55.57) v2(24.99,54.94) v2(24.99,54.3) v2(25.63,55.57) v2(25.63,54.94) v2(29.82,25.42) v2(35.53,30.3) v2(38.1,32.99) v2(40.38,24.56) v2(40.44,12.7) v2(40.44,11.88) v2(40.44,11.07) v2(41.25,12.7) v2(41.25,11.07) v2(41.37,22.04) v2(42.01,24.97) v2(42.06,12.7) v2(42.06,11.88) v2(42.06,11.07) v2(42.26,29.92) v2(42.67,28.83) v2(42.9,27.89) v2(43.15,26.87) v2(43.15,25.85) v2(43.18,23.09) v2(44.3,23.19) v2(46.72,35.05) v2(46.96,23.19) v2(49.76,23.19) v2(56.43,40.85) v2(57.13,27.15) v2(60.02,51.87) v2(60.82,51.87) v2(60.93,44.45) v2(61.25,34.95) v2(61.62,43.06) v2(61.62,42.26) v2(75.33,26.95) v2(75.33,25.73) v2(75.33,24.51) v2(75.94,26.34) v2(75.94,25.12) v2(76.55,26.95) v2(76.55,25.73) v2(76.55,24.51) v2(77.16,26.34) v2(77.16,25.12) v2(77.77,26.95) v2(77.77,25.73) v2(77.77,24.51) v2(78.33,66.42) v2(80.41,62.51) v2(81.08,61.74) v2(88.76,21.59) v2(88.76,20.57) v2(89.78,21.59) v2(89.78,19.56) v2(90.8,21.59) v2(90.8,20.57) v2(90.8,19.56) v2(90.83,45.49) v2(90.83,44.27) v2(90.83,43.05) v2(91.44,44.88) v2(91.44,43.66) v2(92.05,45.49) v2(92.05,44.27) v2(92.05,43.05) v2(92.66,44.88) v2(92.66,43.66) v2(93.27,44.27) v2(93.27,43.05)
